# Altium PCB Allwinner_A13_BRD.PcbDoc (part 1 of 5) (continued)
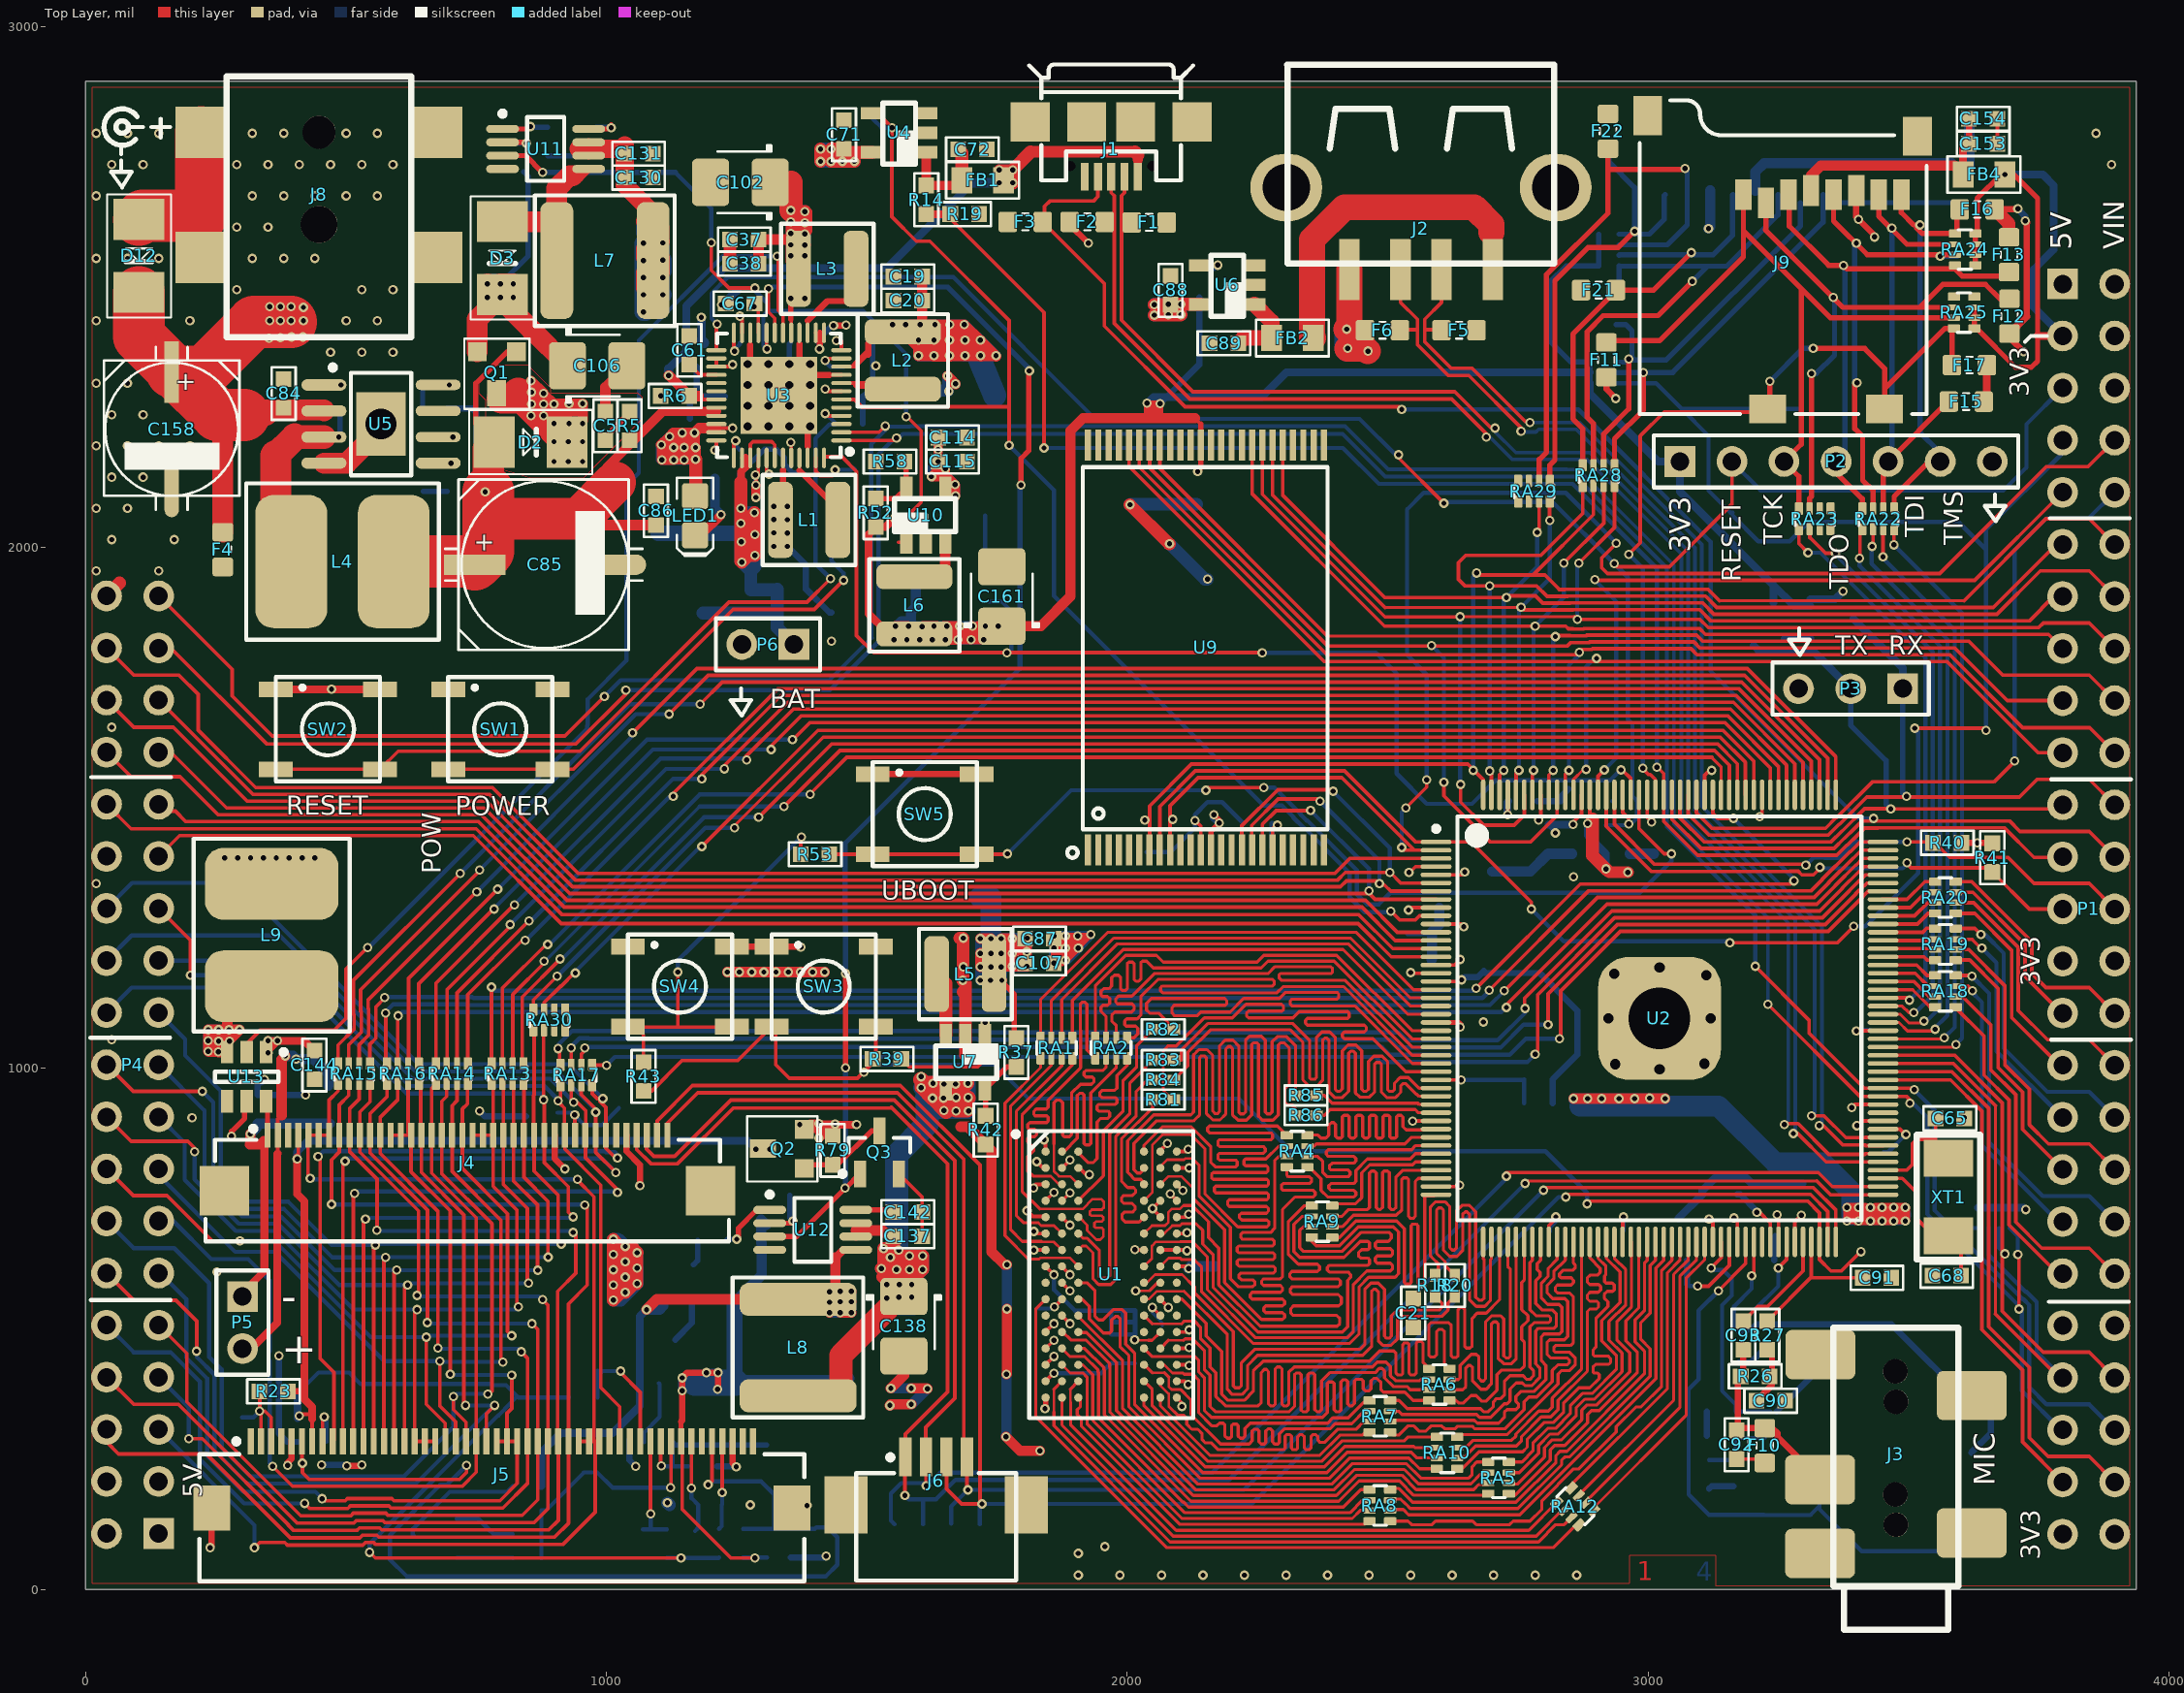
[diagram p0: Top Layer view]
## Design rules (kind name [scope] priority, off if disabled: settings) (continued)
PolygonConnect [All] p1: connectstyle=Direct reliefconductorwidth=10 reliefentries=4 polygonreliefangle="90 Angle" airgapwidth=10
RoutingCorners [All] p0: scope1count=1 scope1_0_kind=Board scope1_0_value=Board scope2count=1 scope2_0_kind=Board scope2_0_value=Board commentlength=0 cornerstyle=45-Degree minsetback=100 maxsetback=100
RoutingLayers [All] p0: scope1count=1 scope1_0_kind=Board scope1_0_value=Board scope2count=1 scope2_0_kind=Board scope2_0_value=Board commentlength=0 top layer=Automatic mid layer 1=Automatic mid layer 2=Automatic bottom layer=Automatic
RoutingPriority [All] p0: scope1count=1 scope1_0_kind=Board scope1_0_value=Board scope2count=1 scope2_0_kind=Board scope2_0_value=Board commentlength=0
RoutingTopology [All] p0: scope1count=1 scope1_0_kind=Board scope1_0_value=Board scope2count=1 scope2_0_kind=Board scope2_0_value=Board commentlength=0 topology=Shortest
RoutingVias [All] p0: scope1count=1 scope1_0_kind=Board scope1_0_value=Board scope2count=1 scope2_0_kind=Board scope2_0_value=Board commentlength=0 holewidth=8 width=18 viastyle="Through Hole" minholewidth=8 minwidth=18 maxholewidth=2000 maxwidth=2000
RoutingVias [All] p1: holewidth=8 width=18 viastyle="Through Hole" minholewidth=8 minwidth=18 maxholewidth=2000 maxwidth=2000
ShortCircuit [All] p0: scope1count=1 scope1_0_kind=Board scope1_0_value=Board scope2count=1 scope2_0_kind=Board scope2_0_value=Board commentlength=0 allowed=FALSE
SilkToBoardRegionClearance [All] p0: scope1count=1 scope1_0_kind=Board scope1_0_value=Board scope2count=1 scope2_0_kind=Board scope2_0_value=Board commentlength=0
SilkToSilkClearance [All] p0: scope1count=1 scope1_0_kind=Board scope1_0_value=Board scope2count=1 scope2_0_kind=Board scope2_0_value=Board commentlength=0
SilkToSilkClearance [All] p1: silktosilkclearance=0
SilkToSolderMaskClearance [All] p0 off: scope1count=1 scope1_0_kind=Board scope1_0_value=Board scope2count=1 scope2_0_kind=Board scope2_0_value=Board commentlength=44 // Protel DXP Scope 1 Expression Was: IsPad
SilkToSolderMaskClearance [IsPad] p1: minsilkscreentomaskgap=0 clearancetoexposedcopper=TRUE
SolderMaskExpansion [All] p0: scope1count=1 scope1_0_kind=Board scope1_0_value=Board scope2count=1 scope2_0_kind=Board scope2_0_value=Board commentlength=0 expansion=4
SolderMaskExpansion [All] p1: expansion=4
UnRoutedNet [All] p0: scope1count=1 scope1_0_kind=Board scope1_0_value=Board scope2count=1 scope2_0_kind=Board scope2_0_value=Board commentlength=0
UnpouredPolygon [All] p0: scope1count=1 scope1_0_kind=Board scope1_0_value=Board scope2count=1 scope2_0_kind=Board scope2_0_value=Board commentlength=0
Width [All] p0: scope1count=1 scope1_0_kind=Board scope1_0_value=Board scope2count=1 scope2_0_kind=Board scope2_0_value=Board commentlength=0 maxlimit=250 minlimit=5 preferedwidth=6
Width [All] p1: maxlimit=250 minlimit=5 preferedwidth=6
23 further rules are at their usual default settings.

## Classes and differential pairs
net class DDR_DA_i: DBA0 DBA1 DBA2 DCAS DCKE DDA0 DDA1 DDA2 DDA3 DDA4 DDA5 DDA6 DDA7 DDA8 DDA9 DDA10 DDA11 DDA12 DDA13 DDA14 DDCK DDCK_N DDD0 DDD1 DDD2 DDD3 DDD4 DDD5 DDD6 DDD7 DDD8 DDD9 DDD10 DDD11 DDD12 DDD13 DDD14 DDD15 DDM0 DDM1 DDQS0 DDQS0_N DDQS1 DDR_A0 DDR_A1 DDR_A2 DDR_A3 DDR_A4 DDR_A5 DDR_A6 DDR_A7 DDR_A8 DDR_A9 DDR_A10 DDR_A11 DDR_A12 DDR_A13 DDR_A14 DDR_BA0 DDR_BA1 DDR_BA2 DDR_CAS DDR_CK DDR_CK_N DDR_CKE DDR_D0 DDR_D1 DDR_D2 DDR_D3 DDR_D4 DDR_D5 DDR_D6 DDR_D7 DDR_D8 DDR_D9 DDR_D10 DDR_D11 DDR_D12 DDR_D13 DDR_D14 DDR_D15 DDR_DM0 DDR_DM1 DDR_DQS0 DDR_DQS0_N DDR_DQS1 DDR_RAS DDR_RST DDR_WE DRAS DRST DWE
differential pair USB1: +USB1 -USB1_N
differential pair USB0: +USB0 -USB0_N
differential pair DDR_DQS1: +DDR_DQS1 -DDR_DQS1_N
differential pair DDR_DQS0: +DDR_DQS0 -DDR_DQS0_N
differential pair DDR_CK: +DDR_CK -DDR_CK_N
differential pair DDCK: +DDCK -DDCK_N
differential pair DDQS0: +DDQS0 -DDQS0_N
differential pair " ": +DDQS1 -DDQS1_N

## Components (designator, comment, footprint, x,y, rotation, side; value= is the part's Value field where it differs from the comment)
C1 "22uF" 0603C-GENERIC 1903,714 r90 bottom
C2 "100nF" 0603C-GENERIC 2015,489 r270 bottom
C3 "100nF" 0603C-GENERIC 2015,590 r270 bottom
C4 "10uF" 0603C-GENERIC 1227,2290 r270 bottom
C5 "10uF" 0603C-GENERIC 998,2261 r270 top
C6 "1uF" 0603C-GENERIC 1383,1920 r180 bottom
C7 "100nF" 0603C-GENERIC 2122,388 r180 bottom
C8 "100nF" 0603C-GENERIC 2122,460 r180 bottom
C9 "10uF" 0603C-GENERIC 1432,1875 r270 bottom
C10 "10uF" 0603C-GENERIC 1277,1919 r180 bottom
C11 "10uF" 0603C-GENERIC 1160,2293 r180 bottom
C12 "10uF" 0603C-GENERIC 1369,2189 r180 bottom
C13 "100nF" 0603C-GENERIC 2078,552 r0 bottom
C14 "100nF" 0603C-GENERIC 2122,620 r180 bottom
C15 "100nF" 0603C-GENERIC 2122,726 r270 bottom
C16 "100nF" 0603C-GENERIC 2076,753 r270 bottom
C17 "100nF" 0603C-GENERIC 2113,772 r90 bottom
C18 "100nF" 0603C-GENERIC 2067,855 r270 bottom
C19 "10uF" 0603C-GENERIC 1606,2520 r180 top
C20 "1nF" 0603C-GENERIC 1606,2474 r180 top
C21 "100nF" 0603C-GENERIC 2549,503 r90 top
C22 "100nF" 0603C-GENERIC 2022,666 r90 bottom
C23 "10uF" 0603C-GENERIC 1431,2290 r0 bottom
C24 "100nF" 0603C-GENERIC 2646,1378 r0 bottom
C25 "100nF" 0603C-GENERIC 3397.13,930.65 r0 bottom
C26 "22uF" 0603C-GENERIC 2599,1378 r180 bottom
C27 "10uF" 0603C-GENERIC 2585,1262 r0 bottom
C28 "10uF" 0603C-GENERIC 3011,1412 r90 bottom
C29 "10uF" 0603C-GENERIC 2808,1412 r90 bottom
C30 "22uF" 0603C-GENERIC 2606,901 r180 bottom
C31 "10uF" 0603C-GENERIC 3452,885 r180 bottom
C32 "10uF" 0603C-GENERIC 3194,1585 r180 bottom
C33 "100nF" 0603C-GENERIC 2807.82,983.03 r180 bottom
C34 "100nF" 0603C-GENERIC 1862,410 r270 bottom
C35 "100nF" 0603C-GENERIC 1870,478 r180 bottom
C36 "100nF" 0603C-GENERIC 1825,540 r90 bottom
C37 "10uF" 0603C-GENERIC 1292,2591 r180 top
C38 "1nF" 0603C-GENERIC 1292,2545 r180 top
C39 "22uF" 0603C-GENERIC 2680,1080 r180 bottom
C40 "100nF" 0603C-GENERIC 2646,978 r180 bottom
C41 "10uF" 0603C-GENERIC 2574.2,775.2 r0 bottom
C42 "100nF" 0603C-GENERIC 2811.4,686.87 r270 bottom
C43 "10uF" 0603C-GENERIC 2953.03,633.18 r90 bottom
C44 "100nF" 0603C-GENERIC 2168,620 r0 bottom
C45 "10uF" 0603C-GENERIC 1408,2393 r180 bottom
C46 "100nF" 0603C-GENERIC 1892,611 r90 bottom
C47 "100nF" 0603C-GENERIC 3207,1484 r90 bottom
C48 "22uF" 0603C-GENERIC 2833,1513 r0 bottom
C49 "100nF" 0603C-GENERIC 2544,1308 r0 bottom
C50 "100nF" 0603C-GENERIC 2639,1209 r180 bottom
C51 "100nF" 0603C-GENERIC 2854,1467 r270 bottom
C52 "100nF" 0603C-GENERIC 2732,1513 r0 bottom
C53 "100nF" 0603C-GENERIC 3427,1074 r0 bottom
C54 "100nF" 0603C-GENERIC 3113,712 r180 bottom
C55 "100nF" 0603C-GENERIC 2731,1242 r270 bottom
C56 "1uF" 0603C-GENERIC 1173,2347 r0 bottom
C57 "100nF" 0603C-GENERIC 1825,681 r90 bottom
C58 "22uF" 0603C-GENERIC 3251,779 r270 bottom
C59 "100nF" 0603C-GENERIC 1806,776 r0 bottom
C60 "100nF" 0603C-GENERIC 1840,873 r270 bottom
C61 "10uF" 0603C-GENERIC 1159,2351 r90 top
C62 "100nF" 0603C-GENERIC 1891,822 r90 bottom
C63 "10uF" 0603C-GENERIC 1453,2393 r0 bottom
C64 "1uF" 0603C-GENERIC 1187,2393 r0 bottom
C65 "33pF" 0603C-GENERIC 3607,904 r180 top
C66 "10uF" 0603C-GENERIC 1316,2143 r0 bottom
C67 "1uF" 0603C-GENERIC 1229,2468 r0 top
C68 "33pF" 0603C-GENERIC 3546,602 r0 top
C69 "10uf" CAPMP3528X210N 1660,1329 r180 bottom
C70 "1uF" 0603C-GENERIC 2933,1513 r0 bottom
C71 "10uF" 0603C-GENERIC 1456,2820 r270 top
C72 "100nF" 0603C-GENERIC 1730,2764 r180 top
C73 "10uF" 0603C-GENERIC 1456,2347 r0 bottom
C74 "100nF" 0603C-GENERIC 2965,1412 r90 bottom
C75 "1uF" 0603C-GENERIC 1478,2095 r90 bottom
C76 "10uF" 0603C-GENERIC 3205,779 r270 bottom
C77 "100nF" 0603C-GENERIC 3159,758 r180 bottom
C78 "1uF" 0603C-GENERIC 3297,779 r270 bottom
C79 "10uF" 0603C-GENERIC 3297,632 r180 bottom
C80 "100nF" 0603C-GENERIC 3204,536 r0 bottom
C81 "100nF" 0603C-GENERIC 2685,1242 r270 bottom
C82 "10uF" 0603C-GENERIC 488,2263 r90 bottom
C83 "100nF" 0603C-GENERIC 3452,839 r180 bottom
C84 "1uF" 0603C-GENERIC 380,2323 r270 top
C85 "47uF 25V" PANACAP-E-GENERIC 882,1967 r0 top
C86 "10uF" 0603C-GENERIC 1095,2098 r270 top
C87 "10uF" 0603C-GENERIC 1859,1249 r180 top
C88 "10uF" 0603C-GENERIC 2083,2521 r270 top
C89 "100nF" 0603C-GENERIC 2158,2392 r0 top
C90 "100nF" 0603C-GENERIC 3208,362 r0 top
C91 "100nF" 0603C-GENERIC 3412,598 r0 top
C92 "100nF" 0603C-GENERIC 3170,250 r90 top
C93 "100nF" 0603C-GENERIC 3183,460 r90 top
C94 "120pf" 0603C-GENERIC 694,2267 r270 bottom
C95 "100nF" 0603C-GENERIC 3159,712 r270 bottom
C96 "10nf" 0603C-GENERIC 650,2369 r270 bottom
C97 "10uF" 0603C-GENERIC 3020,586 r0 bottom
C98 "100nF" 0603C-GENERIC 3075,632 r180 bottom
C99 "1nF" 0603C-GENERIC 3467,649 r180 bottom
C100 "1nF" 0603C-GENERIC 1607.61,70 r90 bottom
C101 "1nF" 0603C-GENERIC 1553,70 r90 bottom
C102 "47µ" CAPMP3528X210N 1257,2701 r180 top
C103 "1nF" 0603C-GENERIC 1716.82,69.97 r90 bottom
C104 "10uF" 0603C-GENERIC 1540,977.29 r0 bottom
C105 "10uF" 0603C-GENERIC 1540,931.29 r0 bottom
C106 "10uf" CAPMP3528X210N 982,2349 r0 top
C107 "22uF" 0603C-GENERIC 1859,1202 r180 top
C108 "1nF" 0603C-GENERIC 1662.21,70 r90 bottom
C109 "100nF" 0603C-GENERIC 3113,295 r0 bottom
C110 "100nF" 0603C-GENERIC 3117,193 r90 bottom
C111 "100nF" 0603C-GENERIC 3220,458 r270 bottom
C112 "47µ" CAPMP3528X210N 1688,2292 r180 bottom
C114 "10uF" 0603C-GENERIC 1692,2211 r180 top
C115 "10uF" 0603C-GENERIC 1692,2165 r180 top
C116 "10uF" 0603C-GENERIC 1649,1945 r180 bottom
C117 "10uF" 0603C-GENERIC 1649,1897 r180 bottom
C118 "100nF" 0603C-GENERIC 1176,162 r180 bottom
C120 "100nF" 0603C-GENERIC 901,908 r180 bottom
C126 "100nF" 0603C-GENERIC 1322,162 r0 bottom
C127 "100nF" 0603C-GENERIC 2129,1470 r270 bottom
C128 "100nF" 0603C-GENERIC 2133,2138 r270 bottom
C129 "100nF" 0603C-GENERIC 2278,1424 r180 bottom
C130 "10uF" 0603C-GENERIC 1089,2710 r180 top
C131 "10uF" 0603C-GENERIC 1089,2756 r180 top
C132 "10uF" 0603C-GENERIC 794,2675 r0 bottom
C133 "10uf" CAPMP6032X280N 889,2498 r0 bottom
C134 "47µ" CAPMP3528X210N 1303,551 r0 bottom
C135 "100nF" 0603C-GENERIC 980,2807 r270 bottom
C136 "1.6nf" 0603C-GENERIC 933,2807 r270 bottom
C137 "10uF" 0603C-GENERIC 1606,678 r180 top
C138 "47µ" CAPMP3528X210N 1571,505 r270 top
C139 "10uF" 0603C-GENERIC 1353,664 r180 bottom
C142 "100nF" 0603C-GENERIC 1551,724 r0 top
C143 "1.6nf" 0603C-GENERIC 1112,623 r0 bottom
C144 "10uF" 0603C-GENERIC 439,979 r90 top
C145 "1.6nf" 0603C-GENERIC 1164,544 r180 bottom
C146 "10uF" 0603C-GENERIC 468,894 r90 bottom
C147 "1.6nf" 0603C-GENERIC 1157,331 r180 bottom
C148 "1.6nf" 0603C-GENERIC 1056,236 r0 bottom
C149 "1uF" 0603C-GENERIC 284,818 r90 bottom
C150 "1.6nf" 0603C-GENERIC 820,198 r0 bottom
C151 "1.6nf" 0603C-GENERIC 774,60 r90 bottom
C152 "1.6nf" 0603C-GENERIC 820,152 r0 bottom
C153 "10uF" 0603C-GENERIC 3616,2775 r0 top
C154 "10uF" 0603C-GENERIC 3671,2823 r180 top
C155 "10uF" 0603C-GENERIC 3617,2774 r0 bottom
C156 "10uF" 0603C-GENERIC 3672,2820 r180 bottom
C157 "1uF" 0603C-GENERIC 1185,1818 r90 bottom
C158 "100uF-16V" PANACAP-D-GENERIC 165,2227 r270 top
C159 "1.6nf" 0603C-GENERIC 385,771 r90 bottom
C160 "1.6nf" 0603C-GENERIC 462,376 r180 bottom
C161 "10uf" CAPMP3528X210N 1759,1906 r90 top
D1 "MBRS140" DIODE-SMA 1553,2061 r180 bottom
D2 "MBRS140" DIODE-SMA 750,2202 r180 top
D3 "MBRS140" DIODE-SMA 800,2660 r90 top
D4 "MBRS140" DIODE-SMA 1466,579 r90 bottom
D5 "MBRS140" DIODE-SMA 254,1034 r180 bottom
D6 "BAT54S" SOT23_N 1132,438 r90 bottom
D7 "MBRS140" DIODE-SMA 1273,277 r180 bottom
D8 "BAT54S" SOT23_N 671,98 r180 bottom
D9 "MBRS140" DIODE-SMA 970,260 r90 bottom
D10 "BAT54S" SOT23_N 3353,1863 r0 bottom
D11 "BAT54S" SOT23_N 3203,1853 r270 bottom
D12 "MBRS140" DIODE-SMA 102,2664 r90 top
F1 "ESD suppressor" 0603ESDA 2042,2624 r180 top
F2 "ESD suppressor" 0603ESDA 1923,2625 r0 top
F3 "ESD suppressor" 0603ESDA 1804,2625 r0 top
F4 "ESD suppressor" 0603ESDA 263,1996 r90 top
F5 "ESD suppressor" 0603ESDA 2637,2417 r180 top
F6 "ESD suppressor" 0603ESDA 2490,2417 r0 top
F7 "ESD suppressor" 0603ESDA 3235,308 r90 bottom
F8 "ESD suppressor" 0603ESDA 3223,176 r270 bottom
F9 "ESD suppressor" 0603ESDA 3658,383 r270 bottom
F10 "ESD suppressor" 0603ESDA 3224,276 r90 top
F11 "ESD suppressor" 0603ESDA 2920,2360 r270 top
F12 "ESD suppressor" 0603ESDA 3694,2444 r270 top
F13 "ESD suppressor" 0603ESDA 3693,2562 r90 top
F14 "ESD suppressor" 0603ESDA 3632,2564 r0 bottom
F15 "ESD suppressor" 0603ESDA 3611,2280 r0 top
F16 "ESD suppressor" 0603ESDA 3632,2649 r0 top
F17 "ESD suppressor" 0603ESDA 3617,2350 r0 top
F18 "ESD suppressor" 0603ESDA 3632,2648 r0 bottom
F19 "ESD suppressor" 0603ESDA 2905,2424 r180 bottom
F20 "ESD suppressor" 0603ESDA 2905,2494 r180 bottom
F21 "ESD suppressor" 0603ESDA 2905,2494 r180 top
F22 "ESD suppressor" 0603ESDA 2923,2799 r90 top
F23 "ESD suppressor" 0603ESDA 2925,2801 r90 bottom
F24 "ESD suppressor" 0603ESDA 3196,2061 r0 bottom
FB1 "" 0805FB-GENERIC 1692,2705 r0 top
FB2 "" 0805FB-GENERIC 2287,2402 r0 top
FB4 "" 0805FB-GENERIC 3675,2716 r180 top
FB5 "" 0805FB-GENERIC 3675,2716 r180 bottom
J1 "Micro-USB-B" USB-MICRO-HW-MC-5F 1969,2817 r180 top
J2 "SMD_USB_A" USBA_HW-UAF-12 2564,2691 r180 top
J3 "Audio SMD 3.5mm" SMDAudio3.5mm 3476,242 r90 top
J4 "62684-402100ALF" 62684-402100ALF 733,848 r0 top
J5 "Tm097tdh01" FH12A-50S-0.5SH 799,220 r0 top locked
J6 "1mm pitch fpc 4pin" 52793-0470 1633,217 r0 top
J7 "Audio SMD 3.5mm" SMDAudio3.5mm 3475,300 r90 bottom
J8 "DC-050" DC-050 448,2994 r270 top
J9 "MicroSD_Selfeject" MicroSD_Selfeject 3535,2256 r0 top
J10 "MicroSD_Selfeject" MicroSD_Selfeject 2984,2256 r180 bottom
L1 "2.2uh" TAIYO_NRS4018T2R2MDGJ 1389,2053 r180 top
L2 "2.2uh" TAIYO_NRS4018T2R2MDGJ 1569,2359 r90 top
L3 "2.2uh" TAIYO_NRS4018T2R2MDGJ 1424,2535 r180 top
L4 "" Inductor-Multicomp-MCSDC060 493,1973 r0 top
L5 "2.2uh" TAIYO_NRS4018T2R2MDGJ 1689,1181 r0 top
L6 "2.2uh" TAIYO_NRS4018T2R2MDGJ 1591,1889 r270 top
L7 "4.7uh" TAIYO_NR6028T4R7M 997,2551 r180 top
L8 "4.7uh" TAIYO_NR6028T4R7M 1368,464 r90 top
L9 "" Inductor-Multicomp-MCSDC060 357,1256 r270 top
LED1 "Blue" LED-0805-K 1170,2061 r270 top
P1 "Header 25X2" HDR2X25 3796,2506 r270 top
P2 "Header 7" HDR1X7 3061,2165 r0 top
P3 "Header 3" HDR1X3 3489,1729 r180 top
P4 "Header 19X2" HDR2X19 140,107 r90 top
P5 "Header 2" HDR1X2 301,562 r270 top
P6 "Header 2" HDR1X2 1360,1814 r180 top
Q1 "DMP3130L-7" SOT23-GDS 827,2376 r270 top
Q2 "DMP3130L-7" SOT23-GDS 1380,808 r180 top
Q3 "UN2214" SOT23_N 1524,839 r90 top
R1 "240R" 0603R-GENERIC 1253,2133 r90 bottom
R2 "2K2" 0603R-10K 1969.03,489.18 r270 bottom
R3 "2K2" 0603R-10K 1969,535 r90 bottom
R4 "7R5" 2512R-GENERIC 1224,2027 r180 bottom
R5 "1R" 0603R-GENERIC 1044,2261 r270 top
R6 "1R" 0603R-GENERIC 1104,2291 r0 top
R7 "2K2" 0603R-10K 2808,937 r180 bottom
R8 "220K" 0603R-220K 1208,2133 r90 bottom
R9 "2K2" 0603R-10K 2777,1187 r90 bottom
R10 "240R" 0603R-10K 2122,506 r180 bottom
R11 "200K/1%" 0603R-220K 1252,2494 r270 bottom
R12 "2K2" 0603R-2K2 1432,2095 r90 bottom
R13 "47K" 0603R-47K 2919,1412 r90 bottom
R14 "47K" 0603R-10K 1614,2695 r270 top
R15 "2K2" 0603R-2K2 1487,2237 r180 bottom
R16 "47K" 0603R-47K 1734,1951 r270 bottom
R17 "10K" 0603R-10K 1512,2767 r90 bottom
R18 "" 0402R-GENERIC 2591,603 r270 top
R19 "100K" 0603R-10K 1660,2640 r0 top
R20 "" 0402R-GENERIC 2629,603 r270 top
R21 "200K" 0603R-220K 3297,678 r180 bottom
R22 "10K" 0603R-10K 2538,1259 r270 bottom
R23 "10K" 0603R-10K 388,380 r180 top
R24 "300K" 0603R-2K2 694,2108 r0 bottom
R25 "10K" 0603R-10K 2138,2480 r90 bottom
R26 "200K" 0603R-220K 3233,409 r180 top
R27 "200K" 0603R-220K 3229,515 r270 top
R28 "3.7K" 0603R-2K2 650,2267 r270 bottom
R29 "0R" 0603R-2K2 648,2163 r270 bottom
R30 "2K2" 0603R-2K2 300,330 r90 bottom
R32 "150K" 0603R-2K2 751,2313 r180 bottom
R33 "56K" 0603R-2K2 749,2161 r180 bottom
R34 "200K" 0603R-220K 3113,341 r0 bottom
R35 "200K" 0603R-220K 3164,198 r270 bottom
R36 "200K" 0603R-220K 3174,435 r90 bottom
R37 "33K" 0603R-2K2 1787,1003 r90 top
R39 "200K" 0603R-220K 1566,1018 r180 top
R40 "4.7K" 0603R-220K 3547,1433 r0 top
R41 "4.7K" 0603R-220K 3661,1377 r90 top
R42 "22K" 0603R-2K2 1728,854 r90 top
R43 "200K" 0603R-220K 1071,1012 r270 top
R44 "2K2" 0603R-2K2 1024,869 r90 bottom
R45 "2K2" 0603R-2K2 1170,60.97 r90 bottom
R46 "10K" 0603R-10K 406.97,329 r0 bottom
R47 "10K" 0603R-10K 928,368 r0 bottom
R48 "10K" 0603R-10K 1116,60 r90 bottom
R49 "10K" 0603R-10K 1216,60.97 r90 bottom
R50 "200K" 0603R-220K 2037,1470 r270 bottom
R51 "200K" 0603R-220K 2083,1470 r270 bottom
R52 "82K" 0603R-2K2 1517,2094 r270 top
R53 "200K" 0603R-220K 1428,1411 r180 top
R54 "2K2" 0603R-2K2 461.97,283 r180 bottom
R55 "2K2" 0603R-2K2 983,420 r180 bottom
R56 "2K2" 0603R-2K2 1070,115 r270 bottom
R57 "2K2" 0603R-2K2 1221,162 r0 bottom
R58 "18K" 0603R-2K2 1517,2165 r0 top
R59 "10K" 0603R-10K 1308,61 r90 bottom
R60 "2K2" 0603R-2K2 1262,61 r90 bottom
R61 "200K" 0603R-220K 2278,1470 r180 bottom
R64 "2K2" 0603R-2K2 1400,116 r270 bottom
R65 "2K2" 0603R-2K2 1354,116 r270 bottom
R66 "47K" 0603R-2K2 841,2776 r270 bottom
R67 "51K" 0603R-2K2 887,2752 r90 bottom
R68 "15K" 0603R-2K2 795,2721 r90 bottom
R69 "91K" 0603R-2K2 1352,710 r180 bottom
R70 "51K" 0603R-2K2 1175,670 r0 bottom
R71 "10K" 0603R-2K2 1297,756 r0 bottom
R72 "1K5" 0603R-2K2 1072,282 r0 bottom
R73 "47K" 0603R-2K2 1157,236 r0 bottom
R74 "1K5" 0603R-2K2 820,106 r0 bottom
R75 "2K2" 0603R-2K2 422,949 r270 bottom
R76 "2K2" 0603R-2K2 376,949 r270 bottom
R77 "2K2" 0603R-2K2 330,949 r270 bottom
R78 "47K" 0603R-2K2 875,60 r180 bottom
R79 "2K2" 0603R-2K2 1434,815 r90 top
R81 "" 0402R-GENERIC 2089,940 r180 top
R82 "" 0402R-GENERIC 2089,1075 r180 top
R83 "" 0402R-GENERIC 2089,1016 r180 top
R84 "" 0402R-GENERIC 2089,978 r180 top
R85 "" 0402R-GENERIC 2363,948 r180 top
R86 "" 0402R-GENERIC 2363,910 r180 top
RA1 "Thick Film" EXV28V 1864,1039 r90 top
RA2 "Thick Film" EXV28V 1969,1039 r90 top
RA3 "Thick Film" EXV28V 3664,713 r270 bottom
RA4 "Thick Film" EXV28V 2326,841 r0 top
RA5 "Thick Film" EXV28V 2713,214 r0 top
RA6 "Thick Film" EXV28V 2599,393 r0 top
RA7 "Thick Film" EXV28V 2485,332 r0 top
RA8 "Thick Film" EXV28V 2485,161 r0 top
RA9 "Thick Film" EXV28V 2374,706 r0 top
RA10 "Thick Film" EXV28V 2614,262 r0 top
RA12 "Thick Film" EXV28V 2860,159 r45 top
RA13 "Thick Film" EXV28V 810,990 r90 top
RA14 "Thick Film" EXV28V 703,990 r90 top
RA15 "Thick Film" EXV28V 515,990 r90 top
RA16 "Thick Film" EXV28V 609,990 r90 top
RA17 "Thick Film" EXV28V 942,987 r90 top
RA18 "Thick Film" EXV28V 3571,1148 r180 top
RA19 "Thick Film" EXV28V 3571,1238 r180 top
RA20 "Thick Film" EXV28V 3571,1328 r180 top
RA22 "Thick Film" EXV28V 3442,2055 r270 top
RA23 "Thick Film" EXV28V 3320,2055 r270 top
RA24 "Thick Film" EXV28V 3609,2572 r180 top
RA25 "Thick Film" EXV28V 3607,2451 r180 top
RA26 "Thick Film" EXV28V 2925,2572 r0 bottom
RA27 "Thick Film" EXV28V 2908,2346 r0 bottom
RA28 "Thick Film" EXV28V 2905,2138 r270 top
RA29 "Thick Film" EXV28V 2781,2108 r270 top
RA30 "Thick Film" EXV28V 890,1093 r270 top
SW1 "PushButton" PushButtonGrid5.08x3.81 796,1651 r0 top
SW2 "PushButton" PushButtonGrid5.08x3.81 465,1651 r0 top
SW3 "PushButton" PushButtonGrid5.08x3.81 1417,1157 r0 top
SW4 "PushButton" PushButtonGrid5.08x3.81 1141,1157 r0 top
SW5 "PushButton" PushButtonGrid5.08x3.81 1611,1488 r0 top
U1 "K4B4G1646D-BCK0" MICT-JT-96 1969.03,604.18 r0 top locked
U2 "Allwinner_A13" LQFP176L 3022,1096 r0 top
U3 "AXP209" QFN48 1331,2292 r180 top
U4 "TPS2065DBVT" TSOT23-5 1562,2796 r90 top
U5 "TPS54335" D008_L_PowerPad 567,2237 r0 top
U6 "TPS2065DBVT" TSOT23-5 2192,2504 r90 top
U7 "TLV62565DBVT" TSOT23-5 1689,1012 r180 top
U9 "NAND_FLASH" TSOP-48 2151,1808 r0 top
U10 "TLV62565DBVT" TSOT23-5 1613,2062 r0 top
U11 "TPS61085DGKR" TI-DGK8_N 883,2765 r0 top
U12 "TPS61085DGKR" TI-DGK8_N 1396,690 r0 top
U13 "TPS61165DBVR" TI-DBV6_N 309,984 r270 top
XT1 "24Mhz" Ceramic_crystal_5x3.2 3577,753 r90 top

## Footprints (in the part's own frame and the unit in brackets; to place one, negate y for a bottom-side part, rotate by r counter-clockwise, add the part's x,y. Pads: shape width x height; smd on the part's side, far side on the other; paste and mask are expansions set on the pad)
0402R-GENERIC [mil]
  rect 25x20 smd: 1(0,0) 2(40,0)
  silkscreen extent -21,-19 61,19
0603C-GENERIC [mil] "CAPACITOR 0603"
  rect 30x30 smd: 1(0,0) 2(55,0)
  silkscreen extent -23,-23 78,23
0603ESDA [mm] "Chip ESD suppressor, Body 1.6x0.8mm, 0603, IPC Medium Density"
  round 0.254 on Mech14: 0(0,0)
  rrect25% 0.9x1 smd: 1(-0.85,0) 2(0.85,0)
  silkscreen extent -0.15,-0.41 0.15,0.41
0603R-2K2 [mil] "RESISTOR 0603"
  rect 30x30 smd: 1(0,0) 2(55,0)
  silkscreen extent -23,-23 78,23
0603R-10K [mil] "RESISTOR 0603"
  rect 30x30 smd: 1(0,0) 2(55,0)
  silkscreen extent -23,-23 78,23
0603R-47K [mil] "RESISTOR 0603"
  rect 30x30 smd: 1(0,0) 2(55,0)
  silkscreen extent -23,-23 78,23
0603R-220K [mil] "RESISTOR 0603"
  rect 30x30 smd: 1(0,0) 2(55,0)
  silkscreen extent -23,-23 78,23
0603R-GENERIC [mil] "RESISTOR 0603"
  rect 30x30 smd: 1(0,0) 2(55,0)
  silkscreen extent -23,-23 78,23
0805FB-GENERIC [mil] "FERRITE BEAD 0805"
  rect 40x50 smd: 1(-10,0) 2(70,0)
  silkscreen extent -40,-35 100,35
2512R-GENERIC [mil]
  rect 80x125 smd: 1(-125,0) 2(125,0)
  silkscreen extent -186,-84 185,83
52793-0470 [mm]
  rect 0.6x1.9 smd: 1(-1.5,0.95) 2(-0.5,0.95) 3(0.5,0.95) 4(1.5,0.95)
  rect 2.1x2.8 smd: MH1(-4.4,-1.4) MH2(4.4,-1.4)
  silkscreen extent -3.9,-5.08 3.9,1.05
62684-402100ALF [mm]
  rect 0.3x1.2 smd: 1(-9.75,0.6) 2(-9.25,0.6) 3(-8.75,0.6) 4(-8.25,0.6) 5(-7.75,0.6) 6(-7.25,0.6) 7(-6.75,0.6) 8(-6.25,0.6) 9(-5.75,0.6) 10(-5.25,0.6) 11(-4.75,0.6) 12(-4.25,0.6) 13(-3.75,0.6) 14(-3.25,0.6) 15(-2.75,0.6) 16(-2.25,0.6) 17(-1.75,0.6) 18(-1.25,0.6) 19(-0.75,0.6) 20(-0.25,0.6) 21(0.25,0.6) 22(0.75,0.6) 23(1.25,0.6) 24(1.75,0.6) 25(2.25,0.6) 26(2.75,0.6) 27(3.25,0.6) 28(3.75,0.6) 29(4.25,0.6) 30(4.75,0.6) 31(5.25,0.6) 32(5.75,0.6) 33(6.25,0.6) 34(6.75,0.6) 35(7.25,0.6) 36(7.75,0.6) 37(8.25,0.6) 38(8.75,0.6) 39(9.25,0.6) 40(9.75,0.6)
  rect 2.4x2.4 smd: 41(-11.85,-2.1) 42(11.85,-2.1)
  silkscreen extent -12.78,-4.57 12.75,1.04
CAPMP3528X210N [mm] "Molded body capacitor, Body 3.5x2.8mm, 1210, IPC Nominal settings"
  round 0.254 on Mech14: 0(0,0)
  rrect25% 1.8x2.3 smd: 1(-1.45,0) 2(1.45,0)
  silkscreen extent -1.5,-1.8 1.1,1.8
CAPMP6032X280N [mm] "Capacitor, polarized, Molded Body, EIA 535BAAC size C; 6.00mm L X 3.20mm W X 2.80mm H"
  round 0.508 on Mech14: 0(0,0)
  rrect25% 2.35x2.25 smd: 1(-2.45,0) 2(2.45,0)
  silkscreen extent -2.45,-1.95 2.45,1.95
Ceramic_crystal_5x3.2 [mm]
  rect 1.8x2.4 smd: 1(-1.9,0) 2(1.9,0)
  silkscreen extent -3.05,-1.55 3.05,1.55
D008_L_PowerPad [mm] "8-Pin Small Outline Integrated Circuit 1.27 mm Pitch, IPC High Density"
  oval 2.2x0.55 smd: 1(-2.785,1.905) 2(-2.785,0.635) 3(-2.785,-0.635) 4(-2.785,-1.905) 5(2.785,-1.905)
  oval 2.2x0.5 smd: 6(2.785,-0.635) 7(2.785,0.635) 8(2.785,1.905)
  rect 2.4x3.1 hole 1.5: 9(0,0)
  silkscreen extent -2.47,-2.5 1.47,2.88
DC-050 [mm]
  rect 2.5x2.5 smd: 2(5,5.75) 3(11.1,5.75) 4(5,-5.75) 4(11.1,-5.75)
  round 1.6 hole 1.6 unplated: 5(5,0)
  round 1.8 hole 1.8 unplated: 6(9.5,0)
  silkscreen extent 2.29,-4.5 15,4.5
DIODE-SMA [mm]
  rect 2x2.5 smd: A(-0.875,0) K(-4.425,0)
  silkscreen extent -5.65,-1.58 0.35,1.55
EXV28V [mm] "resistor network"
  round 0.254 on Mech14: 0(0,0)
  rrect25% 0.6x0.4 smd: 1(-0.5,0.775) 4(-0.5,-0.775) 5(0.5,-0.775) 8(0.5,0.775)
  rrect25% 0.6x0.3 smd: 2(-0.5,0.25) 3(-0.5,-0.25) 6(0.5,-0.25) 7(0.5,0.25)
  silkscreen extent -0.3,-0.97 0.33,0.97
FH12A-50S-0.5SH [mm] "Connector; FH12 Series; 50 Position; 0.5mm Spaced Top Contact"
  rect 0.3x1.3 smd: 1(-12.25,1.625) 2(-11.75,1.625) 3(-11.25,1.625) 4(-10.75,1.625) 5(-10.25,1.625) 6(-9.75,1.625) 7(-9.25,1.625) 8(-8.75,1.625) 9(-8.25,1.625) 10(-7.75,1.625) 11(-7.25,1.625) 12(-6.75,1.625) 13(-6.25,1.625) 14(-5.75,1.625) 15(-5.25,1.625) 16(-4.75,1.625) 17(-4.25,1.625) 18(-3.75,1.625) 19(-3.25,1.625) 20(-2.75,1.625) 21(-2.25,1.625) 22(-1.75,1.625) 23(-1.25,1.625) 24(-0.75,1.625) 25(-0.25,1.625) 26(0.25,1.625) 27(0.75,1.625) 28(1.25,1.625) 29(1.75,1.625) 30(2.25,1.625) 31(2.75,1.625) 32(3.25,1.625) 33(3.75,1.625) 34(4.25,1.625) 35(4.75,1.625) 36(5.25,1.625) 37(5.75,1.625) 38(6.25,1.625) 39(6.75,1.625) 40(7.25,1.625) 41(7.75,1.625) 42(8.25,1.625) 43(8.75,1.625) 44(9.25,1.625) 45(9.75,1.625) 46(10.25,1.625) 47(10.75,1.625) 48(11.25,1.625) 49(11.75,1.625) 50(12.25,1.625)
  rect 1.8x2.2 smd: 51(14.15,-1.625) 52(-14.15,-1.625)
  silkscreen extent -14.75,-5.2 14.75,1.75
HDR1X2 [mm] "Connector; Header; 2 Position"
  rect 1.5x1.5 hole 0.9: 1(0,0)
  round 1.5 hole 0.9: 2(2.54,0)
  silkscreen extent -1.27,-1.27 3.81,1.27
HDR1X3 [mm] "Connector; Header; 3 Position"
  rect 1.5x1.5 hole 0.9: 1(0,0)
  round 1.5 hole 0.9: 2(2.54,0) 3(5.08,0)
  silkscreen extent -1.27,-1.27 6.35,1.27
HDR1X7 [mm] "Connector; Header; 7 Position"
  rect 1.5x1.5 hole 0.9: 1(0,0)
  round 1.5 hole 0.9: 2(2.54,0) 3(5.08,0) 4(7.62,0) 5(10.16,0) 6(12.7,0) 7(15.24,0)
  silkscreen extent -1.27,-1.27 16.51,1.27
HDR2X19 [mm] "Connector; Header; 19x2 Position"
  rect 1.5x1.5 hole 0.9: 1(0,0)
  round 1.5 hole 0.9: 2(0,2.54) 3(2.54,0) 4(2.54,2.54) 5(5.08,0) 6(5.08,2.54) 7(7.62,0) 8(7.62,2.54) 9(10.16,0) 10(10.16,2.54) 11(12.7,0) 12(12.7,2.54) 13(15.24,0) 14(15.24,2.54) 15(17.78,0) 16(17.78,2.54) 17(20.32,0) 18(20.32,2.54) 19(22.86,0) 20(22.86,2.54) 21(25.4,0) 22(25.4,2.54) 23(27.94,0) 24(27.94,2.54) 25(30.48,0) 26(30.48,2.54) 27(33.02,0) 28(33.02,2.54) 29(35.56,0) 30(35.56,2.54) 31(38.1,0) 32(38.1,2.54) 33(40.64,0) 34(40.64,2.54) 35(43.18,0) 36(43.18,2.54) 37(45.72,0) 38(45.72,2.54)
HDR2X25 [mm] "Connector; Header; 25x2 Position"
  rect 1.5x1.5 hole 0.9: 1(0,0)
  round 1.5 hole 0.9: 2(0,2.54) 3(2.54,0) 4(2.54,2.54) 5(5.08,0) 6(5.08,2.54) 7(7.62,0) 8(7.62,2.54) 9(10.16,0) 10(10.16,2.54) 11(12.7,0) 12(12.7,2.54) 13(15.24,0) 14(15.24,2.54) 15(17.78,0) 16(17.78,2.54) 17(20.32,0) 18(20.32,2.54) 19(22.86,0) 20(22.86,2.54) 21(25.4,0) 22(25.4,2.54) 23(27.94,0) 24(27.94,2.54) 25(30.48,0) 26(30.48,2.54) 27(33.02,0) 28(33.02,2.54) 29(35.56,0) 30(35.56,2.54) 31(38.1,0) 32(38.1,2.54) 33(40.64,0) 34(40.64,2.54) 35(43.18,0) 36(43.18,2.54) 37(45.72,0) 38(45.72,2.54) 39(48.26,0) 40(48.26,2.54) 41(50.8,0) 42(50.8,2.54) 43(53.34,0) 44(53.34,2.54) 45(55.88,0) 46(55.88,2.54) 47(58.42,0) 48(58.42,2.54) 49(60.96,0) 50(60.96,2.54)
Inductor-Multicomp-MCSDC060 [mm]
  rrect50% 3.5x6.5 smd: 1(-2.5,0) 2(2.5,0)
  silkscreen extent -4.7,-3.81 4.7,3.81
LED-0805-K [mil]
  round 20 on Mech14: 0(0,0)
  rrect25% 50x50 smd: A(-37.5,0) K(37.5,0)
  silkscreen extent -72,-35 77,35
LQFP176L [mm]
  oval 1.5x0.22 smd: 1(-10.9,8.6) 2(-10.9,8.2) 3(-10.9,7.8) 4(-10.9,7.4) 5(-10.9,7) 6(-10.9,6.6) 7(-10.9,6.2) 8(-10.9,5.8) 9(-10.9,5.4) 10(-10.9,5) 11(-10.9,4.6) 12(-10.9,4.2) 13(-10.9,3.8) 14(-10.9,3.4) 15(-10.9,3) 16(-10.9,2.6) 17(-10.9,2.2) 18(-10.9,1.8) 19(-10.9,1.4) 20(-10.9,1) 21(-10.9,0.6) 22(-10.9,0.2) 23(-10.9,-0.2) 24(-10.9,-0.6) 25(-10.9,-1) 26(-10.9,-1.4) 27(-10.9,-1.8) 28(-10.9,-2.2) 29(-10.9,-2.6) 30(-10.9,-3) 31(-10.9,-3.4) 32(-10.9,-3.8) 33(-10.9,-4.2) 34(-10.9,-4.6) 35(-10.9,-5) 36(-10.9,-5.4) 37(-10.9,-5.8) 38(-10.9,-6.2) 39(-10.9,-6.6) 40(-10.9,-7) 41(-10.9,-7.4) 42(-10.9,-7.8) 43(-10.9,-8.2) 44(-10.9,-8.6) 89(10.9,-8.6) 90(10.9,-8.2) 91(10.9,-7.8) 92(10.9,-7.4) 93(10.9,-7) 94(10.9,-6.6) 95(10.9,-6.2) 96(10.9,-5.8) 97(10.9,-5.4) 98(10.9,-5) 99(10.9,-4.6) 100(10.9,-4.2) 101(10.9,-3.8) 102(10.9,-3.4) 103(10.9,-3) 104(10.9,-2.6) 105(10.9,-2.2) 106(10.9,-1.8) 107(10.9,-1.4) 108(10.9,-1) 109(10.9,-0.6) 110(10.9,-0.2) 111(10.9,0.2) 112(10.9,0.6) 113(10.9,1) 114(10.9,1.4) 115(10.9,1.8) 116(10.9,2.2) 117(10.9,2.6) 118(10.9,3) 119(10.9,3.4) 120(10.9,3.8) 121(10.9,4.2) 122(10.9,4.6) 123(10.9,5) 124(10.9,5.4) 125(10.9,5.8) 126(10.9,6.2) 127(10.9,6.6) 128(10.9,7) 129(10.9,7.4) 130(10.9,7.8) 131(10.9,8.2) 132(10.9,8.6)
  oval 0.22x1.5 smd: 45(-8.6,-10.9) 46(-8.2,-10.9) 47(-7.8,-10.9) 48(-7.4,-10.9) 49(-7,-10.9) 50(-6.6,-10.9) 51(-6.2,-10.9) 52(-5.8,-10.9) 53(-5.4,-10.9) 54(-5,-10.9) 55(-4.6,-10.9) 56(-4.2,-10.9) 57(-3.8,-10.9) 58(-3.4,-10.9) 59(-3,-10.9) 60(-2.6,-10.9) 61(-2.2,-10.9) 62(-1.8,-10.9) 63(-1.4,-10.9) 64(-1,-10.9) 65(-0.6,-10.9) 66(-0.2,-10.9) 67(0.2,-10.9) 68(0.6,-10.9) 69(1,-10.9) 70(1.4,-10.9) 71(1.8,-10.9) 72(2.2,-10.9) 73(2.6,-10.9) 74(3,-10.9) 75(3.4,-10.9) 76(3.8,-10.9) 77(4.2,-10.9) 78(4.6,-10.9) 79(5,-10.9) 80(5.4,-10.9) 81(5.8,-10.9) 82(6.2,-10.9) 83(6.6,-10.9) 84(7,-10.9) 85(7.4,-10.9) 86(7.8,-10.9) 87(8.2,-10.9) 88(8.6,-10.9) 133(8.6,10.9) 134(8.2,10.9) 135(7.8,10.9) 136(7.4,10.9) 137(7,10.9) 138(6.6,10.9) 139(6.2,10.9) 140(5.8,10.9) 141(5.4,10.9) 142(5,10.9) 143(4.6,10.9) 144(4.2,10.9) 145(3.8,10.9) 146(3.4,10.9) 147(3,10.9) 148(2.6,10.9) 149(2.2,10.9) 150(1.8,10.9) 151(1.4,10.9) 152(1,10.9) 153(0.6,10.9) 154(0.2,10.9) 155(-0.2,10.9) 156(-0.6,10.9) 157(-1,10.9) 158(-1.4,10.9) 159(-1.8,10.9) 160(-2.2,10.9) 161(-2.6,10.9) 162(-3,10.9) 163(-3.4,10.9) 164(-3.8,10.9) 165(-4.2,10.9) 166(-4.6,10.9) 167(-5,10.9) 168(-5.4,10.9) 169(-5.8,10.9) 170(-6.2,10.9) 171(-6.6,10.9) 172(-7,10.9) 173(-7.4,10.9) 174(-7.8,10.9) 175(-8.2,10.9) 176(-8.6,10.9)
  rrect50% 6x6 smd: GND_PAD(0,0)
  silkscreen extent -11.02,-9.85 9.85,9.85
MicroSD_Selfeject [mm]
  rect 0.8x1.5 smd: 1(-8.94,10.7) 2(-7.84,10.3) 3(-6.74,10.7) 4(-5.64,10.9) 5(-4.54,10.7) 6(-3.44,10.9) 7(-2.34,10.7) 8(-1.24,10.7)
  rect 1.8x1.4 smd: 9(-2.05,0.25) 10(-7.75,0.25)
  rect 1.4x1.9 smd: 11(-0.45,13.55) 12(-13.6,14.55)
  silkscreen extent -14,0 0,15.3
MICT-JT-96 [mm] "BGA, 96-Balls, Body 14x8mm, Pitch 0.8mm"
  round 0.4 smd: A1(-3.2,6) A2(-2.4,6) A3(-1.6,6) A7(1.6,6) A8(2.4,6) A9(3.2,6) B1(-3.2,5.2) B2(-2.4,5.2) B3(-1.6,5.2) B7(1.6,5.2) B8(2.4,5.2) B9(3.2,5.2) C1(-3.2,4.4) C2(-2.4,4.4) C3(-1.6,4.4) C7(1.6,4.4) C8(2.4,4.4) C9(3.2,4.4) D1(-3.2,3.6) D2(-2.4,3.6) D3(-1.6,3.6) D7(1.6,3.6) D8(2.4,3.6) D9(3.2,3.6) E1(-3.2,2.8) E2(-2.4,2.8) E3(-1.6,2.8) E7(1.6,2.8) E8(2.4,2.8) E9(3.2,2.8) F1(-3.2,2) F2(-2.4,2) F3(-1.6,2) F7(1.6,2) F8(2.4,2) F9(3.2,2) G1(-3.2,1.2) G2(-2.4,1.2) G3(-1.6,1.2) G7(1.6,1.2) G8(2.4,1.2) G9(3.2,1.2) H1(-3.2,0.4) H2(-2.4,0.4) H3(-1.6,0.4) H7(1.6,0.4) H8(2.4,0.4) H9(3.2,0.4) J1(-3.2,-0.4) J2(-2.4,-0.4) J3(-1.6,-0.4) J7(1.6,-0.4) J8(2.4,-0.4) J9(3.2,-0.4) K1(-3.2,-1.2) K2(-2.4,-1.2) K3(-1.6,-1.2) K7(1.6,-1.2) K8(2.4,-1.2) K9(3.2,-1.2) L1(-3.2,-2) L2(-2.4,-2) L3(-1.6,-2) L7(1.6,-2) L8(2.4,-2) L9(3.2,-2) M1(-3.2,-2.8) M2(-2.4,-2.8) M3(-1.6,-2.8) M7(1.6,-2.8) M8(2.4,-2.8) M9(3.2,-2.8) N1(-3.2,-3.6) N2(-2.4,-3.6) N3(-1.6,-3.6) N7(1.6,-3.6) N8(2.4,-3.6) N9(3.2,-3.6) P1(-3.2,-4.4) P2(-2.4,-4.4) P3(-1.6,-4.4) P7(1.6,-4.4) P8(2.4,-4.4) P9(3.2,-4.4) R1(-3.2,-5.2) R2(-2.4,-5.2) R3(-1.6,-5.2) R7(1.6,-5.2) R8(2.4,-5.2) R9(3.2,-5.2) T1(-3.2,-6) T2(-2.4,-6) T3(-1.6,-6) T7(1.6,-6) T8(2.4,-6) T9(3.2,-6)
  silkscreen extent -4.77,-7 4,7
PANACAP-D-GENERIC [mm]
  rect 3x0.7 smd: +(-2.794,0)
  oval 3x0.7 smd: -(2.794,0)
  silkscreen extent -4,-3.3 3.93,3.3
PANACAP-E-GENERIC [mm]
  rect 3x1 smd: +(-3.429,0)
  oval 3x1 smd: -(3.429,0)
  silkscreen extent -4.87,-4.15 4.75,4.15
PushButtonGrid5.08x3.81 [mil]
  rect 65x30 smd: 1(-100,76.77) 1(100,76.77) 2(-100,-76.77) 2(100,-76.77)
  silkscreen extent -100,-100 100,100
QFN48 [mm]
  oval 1x0.2 smd: 1(-3.05,2.2) 2(-3.05,1.8) 3(-3.05,1.4) 4(-3.05,1) 5(-3.05,0.6) 6(-3.05,0.2) 7(-3.05,-0.2) 8(-3.05,-0.6) 9(-3.05,-1) 10(-3.05,-1.4) 11(-3.05,-1.8) 12(-3.05,-2.2) 25(3.05,-2.2) 26(3.05,-1.8) 27(3.05,-1.4) 28(3.05,-1) 29(3.05,-0.6) 30(3.05,-0.2) 31(3.05,0.2) 32(3.05,0.6) 33(3.05,1) 34(3.05,1.4) 35(3.05,1.8) 36(3.05,2.2)
  oval 0.2x1 smd: 13(-2.2,-3.05) 14(-1.8,-3.05) 15(-1.4,-3.05) 16(-1,-3.05) 17(-0.6,-3.05) 18(-0.2,-3.05) 19(0.2,-3.05) 20(0.6,-3.05) 21(1,-3.05) 22(1.4,-3.05) 23(1.8,-3.05) 24(2.2,-3.05) 37(2.2,3.05) 38(1.8,3.05) 39(1.4,3.05) 40(1,3.05) 41(0.6,3.05) 42(0.2,3.05) 43(-0.2,3.05) 44(-0.6,3.05) 45(-1,3.05) 46(-1.4,3.05) 47(-1.8,3.05) 48(-2.2,3.05)
  rect 3.75x3.75 smd: 49(0,0)
  silkscreen extent -3.58,-3.02 3.02,3.02
SMDAudio3.5mm [mm]
  rrect25% 2.4x3.4 smd: 1(-3.4,-3.7) 2(3.3,-3.7) 3(-0.8,3.7) 4(5.3,3.683) 5(-4.4,3.7)
  round 1.2 hole 1.2 unplated: 6(-3,0) 7(3,0)
  silkscreen extent -8.13,-3.05 6.6,3.05
SOT23-GDS [mil]
  rect 50x36 smd: D(80,-38)
  rect 36x36 smd: G(0,0) S(0,-75)
  silkscreen extent -25,-100 110,25
SOT23_N [mm] "SOT23, 3-Leads, Body 2.9x1.3mm, Pitch 0.95mm, Lead Span 2.3mm, IPC Medium Density"
  rect 1.3x0.6 smd: 1(-1.05,0.95) 2(-1.05,-0.95) 3(1.05,0)
  silkscreen extent -1.17,-1.5 0.7,1.93
TAIYO_NR6028T4R7M [mm]
  rrect50% 1.6x5.7 smd: 1(-2.35,0) 2(2.35,0)
  silkscreen extent -3.4,-3.18 3.41,3.2
TAIYO_NRS4018T2R2MDGJ [mm] "TAIYO"
  rrect50% 1.2x3.7 smd: 1(-1.4,0) 2(1.4,0)
  silkscreen extent -2.26,-2.2 2.26,2.2
TI-DBV6_N [mm] "SOT-23, 6-Leads, Body 2.90x1.60mm, Pitch 0.95mm, IPC Medium Density"
  rect 1.1x0.6 smd: 1(-1.2,0.95) 2(-1.2,0) 3(-1.2,-0.95) 4(1.2,-0.95) 5(1.2,0) 6(1.2,0.95)
  silkscreen extent -1.32,-1.55 0.25,1.93
TI-DGK8_N [mm] "SOP, 8-Leads, Body 3x3mm, Pitch 0.65mm, IPC Medium Density"
  oval 1.6x0.4 smd: 1(-2.1,0.975) 2(-2.1,0.325) 3(-2.1,-0.325) 4(-2.1,-0.975) 5(2.1,-0.975) 6(2.1,-0.325) 7(2.1,0.325) 8(2.1,0.975)
  silkscreen extent -2.22,-1.55 0.9,1.85
TSOP-48 [mil]
  rect 12x60 smd: 1(-226.38,-388.78) 2(-206.69,-388.78) 3(-187.01,-388.78) 4(-167.32,-388.78) 5(-147.64,-388.78) 6(-127.95,-388.78) 7(-108.27,-388.78) 8(-88.58,-388.78) 9(-68.9,-388.78) 10(-49.21,-388.78) 11(-29.53,-388.78) 12(-9.84,-388.78) 13(9.84,-388.78) 14(29.53,-388.78) 15(49.21,-388.78) 16(68.9,-388.78) 17(88.58,-388.78) 18(108.27,-388.78) 19(127.95,-388.78) 20(147.64,-388.78) 21(167.32,-388.78) 22(187.01,-388.78) 23(206.69,-388.78) 24(226.38,-388.78) 25(226.38,388.78) 26(206.69,388.78) 27(187.01,388.78) 28(167.32,388.78) 29(147.64,388.78) 30(127.95,388.78) 31(108.27,388.78) 32(88.58,388.78) 33(68.9,388.78) 34(49.21,388.78) 35(29.53,388.78) 36(9.84,388.78) 37(-9.84,388.78) 38(-29.53,388.78) 39(-49.21,388.78) 40(-68.9,388.78) 41(-88.58,388.78) 42(-108.27,388.78) 43(-127.95,388.78) 44(-147.64,388.78) 45(-167.32,388.78) 46(-187.01,388.78) 47(-206.69,388.78) 48(-226.38,388.78)
  silkscreen extent -266,-404 234,346
TSOT23-5 [mm]
  rect 0.6x1.1 smd: 1(-0.95,-1.32) 2(0,-1.32) 3(0.95,-1.32) 4(0.95,1.32) 5(-0.95,1.32)
  silkscreen extent -1.52,-0.8 1.45,0.8
USB-MICRO-HW-MC-5F [mm]
  rect 0.38x1.35 smd: 1(-1.3,2.675) 5(1.3,2.675)
  rect 0.4x1.35 smd: 2(-0.65,2.675) 3(0,2.675) 4(0.65,2.675)
  rect 1.9x1.9 smd: 6(-3.95,0) 7(-1.2,0) 8(1.2,0) 9(3.95,0)
  round 0 hole 0.5 unplated: 10(-2,2.15) 11(2,2.15)
  silkscreen extent -4,-2.8 4,2.85
USBA_HW-UAF-12 [mm]
  rect 1x3 smd: 1(-3.5,4) 2(-1,4) 3(1,4) 4(3.5,4)
  oval 3.5x3.3 hole 2.3: 5(-6.57,0) 6(6.57,0)
  silkscreen extent -6.5,-5.99 6.53,3.7